# Allegro board SG2042_EVB_V2_0.brd (continued)
## Nets (continued)
GND_EARTH: C567.1 C568.1 C569.2 C570.1 C571.1 C572.1 J9.13 J9.14
P5V_USB_REAR1: C5927.1 C5928.1 C5930.1 CON1100.10(VBUS2) R12612.2
P5V_USB_REAR2: C5929.1 C5932.1 C5933.1 CON1100.1 R12613.2
P5V_USB_REAR3: C6042.1 C6043.1 C6044.1 CON1101.10(VBUS2) R12796.2
P5V_USB_REAR4: C6046.1 C6047.1 C6048.1 CON1101.1 R12797.2
VBAT: BT2000.1 U2001.3
VBUS2: C1670.1 C1671.1 FB1106.1 U805.7 U805.8
VCC33IN4: C5838.1 R12553.2 U3237.3
VCC_SD: C531.2 C532.2 C533.2 C534.2 C535.2 FB2.1 J8.4 R45.1 R48.1 R2127.1
VCCS: C3372.2 R2536.1 U202.43
VDD_1V05: C5668.1 C5669.2 C5670.2 FB2045.2 FB2049.2 L1011.2 R12486.1 R12488.2 T78.1(TP)
VDD_1V05_ASM: C5986.2 C5987.1 C5988.1 C5989.1 C5990.1 C5991.1 FB2026.1 L1027.2 R12666.2 T94.1(TP)
VDD_1V25: C5999.1 C6000.2 C6001.2 FB2040.2 L1028.2 R12672.1 R12674.2 T92.1(TP)
VDD_2V5_ASM: C3510.1 C3511.2 C3512.2 FB2027.2 L38.2 R2582.1 R2584.2 T77.1(TP)
VDD_3V3: C3149.1 C3151.1 C3152.1 C3153.1 C3283.2 C3284.2 C3285.2 C3286.2 C3287.2 C3289.1 C3376.1 C6160.2 C6161.1 C6162.1 C6163.1 C6164.1 C6165.1 C6190.1 C6210.1 C6213.1 C6233.2 C6234.2 FB3.2 FB12.1 FB2029.1 FB2041.1 FB2042.2 FB2044.2 FB2048.2 FB2050.2 J14.2 J17.2 L1035.2 R443.1 R655.1 R1305.2 R1306.2 R2190.2 R2191.2 R2192.2 R2193.2 R2194.2 R2195.2 R2196.2 R2197.2 R2545.1 R12560.1 R12571.1 R12679.2 R12680.2 R12681.2 R12682.2 R12683.2 R12684.2 R12685.2 R12686.2 R12687.2 R12688.2 R12689.2 R12690.2 R12691.2 R12692.2 R12693.2 R12694.2 R12697.2 R12698.2 R12699.2 R12724.1 R12738.2 R12741.2 R12744.2 R12916.2 R12929.2 R12954.2 R12962.1 R12963.1 R12967.2 R12971.2 R12972.2 R12974.2 R12975.2 R12998.2 T98.1(TP) U12.19(VCCB) U14.19(VCCB) U47.10 U56.10 U202.42 U806.19(VCCB) U807.19(VCCB) U814.19(VCCB) U2003.19(VCCB) U2006.19(VCCB) U2018.19(VCCB) U3253.21 U3253.22 U3274.3 U3274.6 U3275.7 U3275.8 X9.4(VDD)
VDD_5V: C1167.1 C1168.1 C1187.1 C1188.1 C1189.1 C1190.1 C1191.1 C1217.1 C1218.1 C1231.1 C1232.1 C1558.1 C1559.1 C1560.1 C1561.1 C2010.1 C3161.1 C3162.1 C3230.1 C3370.2 C3411.2 C3420.2 C3433.2 C3446.2 C3462.2 C3463.2 C3508.1 C3509.1 C5666.1 C5667.1 C5924.1 C5925.1 C5982.1 C5983.1 C5984.1 C5985.1 C5997.1 C5998.1 C6014.1 C6039.1 C6040.1 C6100.1 C6110.1 C6111.1 C6112.1 C6125.2 C6126.2 C6127.2 C6128.2 C6133.2 C6134.2 C6136.2 C6137.2 C6143.1 C6144.1 C6150.1 C6156.1 C6157.1 C6158.1 C6159.1 C6191.1 C6216.1 C6217.1 C6222.1 C6223.1 C6228.1 C6229.1 C6236.1 C6240.1 C6244.1 R307.2 R341.2 R354.2 R674.2 R1349.2 R2198.1 R2580.2 R12485.2 R12614.1 R12615.1 R12662.2 R12671.2 R12727.2 R12731.2 R12734.2 R12798.1 R12799.1 R12834.1 R12839.1 R12846.1 R12859.1 R12865.1 R12912.2 R12925.2 R12964.1 R12965.1 R12978.2 R12984.2 R12990.2 R13017.1 R13020.1 R13023.1 U19.1 U28.1 U29.10 U29.21(VIN2) U31.1 U60.9 U60.18(VIN1) U816.1 U2001.8 U2004.5 U2027.1 U3234.1 U3243.5 U3244.5 U3251.9 U3251.18(VIN1) U3252.1 U3254.3 U3254.4 U3254.5 U3256.5 U3257.5 U3261.5 U3262.1 U3262.2 U3262.3 U3263.1 U3263.2 U3263.3 U3264.1 U3264.2 U3264.3 U3265.1 U3265.2 U3265.3 U3266.1 U3266.2 U3266.3 U3267.1 U3267.2 U3267.3 U3268.1 U3268.2 U3268.3 U3269.1 U3269.16 U3270.1 U3270.16 U3271.10 U3271.21(VIN2) U3272.9 U3272.18(VIN1) U3274.7(VCCB) U3276.1 U3277.1 U3278.1 U3279.5 U3280.5 U3281.5
VDD_12V: C19.1 C20.1 C39.1 C40.1 C59.1 C60.1 C79.1 C80.1 C1182.1 C1183.1 C1184.1 C1186.1 C3366.2 C3367.2 C3368.2 C3408.2 C3409.2 C3410.2 C3417.2 C3418.2 C3419.2 C3430.2 C3431.2 C3432.2 C3443.2 C3444.2 C3445.2 C3456.2 C3457.2 C3458.2 C3459.2 C3460.2 C3461.2 J1.1 J1.145 J2.1 J2.145 J3.1 J3.145 J4.1 J4.145 R2393.1 R2538.2 U2005.5 U3262.21 U3262.22 U3262.23 U3262.27 U3262.34(VIN#34) U3263.21 U3263.22 U3263.23 U3263.27 U3263.34(VIN#34) U3264.21 U3264.22 U3264.23 U3264.27 U3264.34(VIN#34) U3265.21 U3265.22 U3265.23 U3265.27 U3265.34(VIN#34) U3266.21 U3266.22 U3266.23 U3266.27 U3266.34(VIN#34) U3267.21 U3267.22 U3267.23 U3267.27 U3267.34(VIN#34) U3268.21 U3268.22 U3268.23 U3268.27 U3268.34(VIN#34)
VDD_HDMI_5V: C6237.1 C6238.1 C6239.1 J2047.H18 R13016.2
VDD_MCU: C584.2 C3252.2 C3253.2 C3254.2 C3255.2 C3256.2 C3257.2 C3258.2 C3259.2 C3260.2 C3261.2 FB2014.1 FB2015.1 R483.1 R484.1 R576.2 R2021.1 R2037.1 R2093.1 R2094.1 R2340.2 R2341.2 R2342.2 R2440.2 R2442.2 R2491.1 R2535.1 R2556.1 R12677.1 R12746.2 R12750.2 R12754.2 R12758.2 R12760.2 R12761.2 R12762.2 R12763.2 R12768.2 R12769.2 R12770.2 R12771.2 TP34.1(TP) U11.1(V+) U2009.6 U2009.11 U2009.28 U2009.50 U2009.75 U2009.100
VDD_PCIE0_12V: C3311.1 C3312.1 C3313.1 C3314.1 C3315.2 F409.2 J2046.A2 J2046.A3 J2046.B1 J2046.B2 J2046.B3
VDD_PCIE1_12V: C3304.1 C3305.1 C3306.1 C3307.1 C3308.2 F400.2 J1104.A2 J1104.A3 J1104.B1 J1104.B2 J1104.B3
VDD_PCIE_C_0V8: C445.2 C446.2 C447.2 C448.2 C449.2 C450.2 C451.2 C452.2 C453.2 C454.2 C455.2 C456.2 C457.2 C458.2 C459.2 C460.2 C461.2 C462.2 C463.2 C464.2 C465.2 C466.2 C467.2 C468.2 C469.2 C470.2 C471.2 R685.2 R2467.2 U1.BE17 U1.BE19 U1.BE21 U1.BE23 U1.BE25 U1.BE27 U1.BE29 U1.BE31 U1.BE33 U1.BE35 U1.BE37 U1.BE39 U1.BE41 U1.BF16 U1.BF18 U1.BF20 U1.BF22 U1.BF24 U1.BF26 U1.BF28 U1.BF30 U1.BF32 U1.BF34 U1.BF36 U1.BF38 U1.BF40 U1.BF42
VDD_PCIE_D_0V8: C475.2 C476.2 C477.2 C478.2 C479.2 C480.2 C481.2 C482.2 C483.2 C484.2 C485.2 C486.2 C487.2 C488.2 C489.2 C490.2 C491.2 C492.2 C493.2 C494.2 C495.2 C496.2 C497.2 C498.2 C499.2 R686.2 R2466.2 U1.BA21 U1.BA23 U1.BA33 U1.BA35 U1.BB22 U1.BB32 U1.BB34 U1.BB36 U1.BC21 U1.BC23 U1.BC25 U1.BC27 U1.BC29 U1.BC31 U1.BC33 U1.BC35 U1.BC37 U1.BD16 U1.BD18 U1.BD20 U1.BD22 U1.BD24 U1.BD26 U1.BD28 U1.BD30 U1.BD32 U1.BD34 U1.BD36 U1.BD38 U1.BD40 U1.BD42
VDD_PCIE_H_1V8: C505.2 C506.2 C507.2 C508.2 C509.2 C510.2 C511.2 C512.2 C513.2 C514.2 C515.2 C516.2 C517.2 C518.2 C519.2 C1220.1 C1221.2 C1222.2 L5.2 R344.2 T57.1(TP) U1.BG15 U1.BG17 U1.BG19 U1.BG21 U1.BG23 U1.BG25 U1.BG27 U1.BG29 U1.BG31 U1.BG33 U1.BG35 U1.BG37 U1.BG39 U1.BG41 U1.BG43
VDD_PLL_0V8: C1170.1 C1172.2 C1173.2 FB7.1 FB9.1 FB10.1 FB11.1 L1.2 R311.2 R2495.1 T53.1(TP)
VDD_SENSE_N: R2531.2 U1.AJ28
VDD_SENSE_P: R2533.2 U1.AH28
VDD_U1_5V: C6241.1 C6242.1 C6243.1 J2047.U1 R13019.2
VDD_U2_5V: C6245.1 C6246.1 C6247.1 J2047.U5 R13022.2
VDDA_MCU: C3262.2 FB2014.2 U2009.21 U2009.22
VDDC: C606.2 C607.2 C608.2 C609.2 C610.2 C611.2 C612.2 C613.2 C614.2 C615.2 C616.2 C617.2 C618.2 C619.2 C620.2 C621.2 C622.2 C623.2 C624.2 C625.2 C626.2 C627.2 C628.2 C629.2 C630.2 C631.2 C632.2 C633.2 C634.2 C635.2 C636.2 C637.2 C638.2 C639.2 C640.2 C641.2 C642.2 C643.2 C644.2 C645.2 C646.2 C647.2 C648.2 C649.2 C650.2 C651.2 C652.2 C653.2 C654.2 C655.2 C656.2 C657.2 C658.2 C659.2 C660.2 C661.2 C662.2 C663.2 C664.2 C665.2 C666.2 C667.2 C668.2 C669.2 C670.2 C671.2 C672.2 C673.2 C674.2 C675.2 C676.2 C677.2 C678.2 C679.2 C680.2 C681.2 C682.2 C683.2 C684.2 C685.2 C686.2 C687.2 C688.2 C689.2 C690.2 C691.2 C692.2 C693.2 C694.2 C695.2 C696.2 C697.2 C698.2 C699.2 C700.2 C701.2 C702.2 C703.2 C704.2 C705.2 C706.2 C707.2 C708.2 C709.2 C710.2 C711.2 C712.2 C713.2 C714.2 C715.2 C716.2 C717.2 C718.2 C719.2 C720.2 C721.2 C722.2 C723.2 C724.2 C725.2 C726.2 C727.2 C728.2 C729.2 C730.2 C731.2 C756.2 C757.2 C758.2 C759.2 C760.2 C761.2 C762.2 C763.2 C764.2 C765.2 C766.2 C767.2 C768.2 C769.2 C770.2 C771.2 C772.2 C773.2 C774.2 C775.2 C776.2 C777.2 C778.2 C779.2 C780.2 C781.2 C782.2 C783.2 C784.2 C785.2 C786.2 C787.2 C788.2 C789.2 C790.2 C791.2 C792.2 C793.2 C794.2 C795.2 C796.2 C797.2 C798.2 C799.2 C800.2 C801.2 C802.2 C803.2 C804.2 C805.2 C806.2 C807.2 C808.2 C809.2 C810.2 C811.2 C812.2 C813.2 C814.2 C815.2 C816.2 C817.2 C818.2 C819.2 C820.2 C821.2 C822.2 C823.2 C824.2 C825.2 C826.2 C827.2 C828.2 C829.2 C830.2 C831.2 C832.2 C833.2 C834.2 C835.2 C836.2 C837.2 C838.2 C839.2 C840.2 C841.2 C842.2 C843.2 C844.2 C845.2 C846.2 C847.2 C848.2 C849.2 C850.2 C851.2 C852.2 C853.2 C854.2 C855.2 C856.2 C857.2 C858.2 C859.2 C860.2 C861.2 C862.2 C863.2 C864.2 C865.2 C866.2 C867.2 C868.2 C869.2 C870.2 C871.2 C872.2 C873.2 C874.2 C875.2 C876.2 C877.2 C878.2 C879.2 C880.2 C881.2 C976.2 C977.2 C978.2 C979.2 C980.2 C981.2 C982.2 C983.2 C984.2 C985.2 C986.2 C987.2 C988.2 C989.2 C990.2 C991.2 C992.2 C993.2 C994.2 C995.2 C996.2 C997.2 C998.2 C999.2 C1000.2 C1001.2 C1002.2 C1003.2 C1004.2 C1005.2 C1006.2 C1007.2 C1008.2 C1009.2 C1010.2 C1011.2 C1580.2 C1581.2 C1582.2 C1583.2 C1584.2 C1585.2 C1586.2 C1587.2 C1588.2 C1589.2 C1590.2 C1591.2 C1592.2 C1593.2 C1597.2 C1598.2 C1599.2 C1600.2 C1601.2 C1602.2 C1603.2 C1604.2 C1605.2 C1606.2 C1610.2 C1611.2 C1612.2 C1613.2 C1614.2 C1615.2 C1616.2 C1617.2 C1618.2 C1619.2 C1620.2 C1621.2 C1622.2 C1623.2 C1624.2 C1625.2 C1626.2 C1630.2 C1631.2 C1632.2 C1633.2 C1634.2 C1638.2 C1639.2 C1640.2 C1641.2 C1642.2 C1699.2 C1700.2 C1701.2 C1702.2 C1703.2 C1704.2 C1705.2 C1706.2 C1707.2 C1708.2 C1709.2 C1710.2 C1711.2 C1712.2 C1713.2 C1714.2 C1715.2 C1716.2 C1717.2 C1718.2 C1719.2 C1720.2 C1721.2 C1722.2 C1723.2 C1724.2 C1725.2 C1726.2 C1727.2 C1728.2 C1729.2 C1730.2 C1731.2 C1732.2 C1733.2 C1734.2 C1735.2 C1736.2 C3378.1 C3379.1 C3381.2 C3382.2 C3383.2 C3384.2 C3416.1 C3423.1 C3424.1 C3425.1 C3426.2 C3427.2 C3428.2 C3429.2 C3436.1 C3437.1 C3438.1 C3439.2 C3440.2 C3441.2 C3442.2 C3449.1 C3450.1 C3451.1 C3452.2 C3453.2 C3454.2 C3455.2 C3468.1 C3469.1 C3470.1 C3471.2 C3472.2 C3473.2 C3474.2 C3475.1 C3476.1 C3477.1 C3478.2 C3479.2 C3480.2 C3481.2 L39.2 L40.2 L41.2 L42.2 L43.2 L44.2 P_VDDC.1(TP) R2534.2 U1.AA19 U1.AA21 U1.AA23 U1.AA25 U1.AA27 U1.AA29 U1.AA31 U1.AA33 U1.AA35 U1.AA37 U1.AA39 U1.AA41 U1.AB18 U1.AB20 U1.AB22 U1.AB24 U1.AB26 U1.AB28 U1.AB30 U1.AB32 U1.AB34 U1.AB36 U1.AB38 U1.AC19 U1.AC21 U1.AC23 U1.AC25 U1.AC27 U1.AC29 U1.AC31 U1.AC33 U1.AC35 U1.AC37 U1.AC39 U1.AD16 U1.AD18 U1.AD20 U1.AD22 U1.AD24 U1.AD26 U1.AD28 U1.AD30 U1.AD32 U1.AD34 U1.AD36 U1.AD38 U1.AE19 U1.AE21 U1.AE23 U1.AE25 U1.AE27 U1.AE29 U1.AE31 U1.AE33 U1.AE35 U1.AE37 U1.AE39 U1.AE41 U1.AF16 U1.AF18 U1.AF20 U1.AF22 U1.AF24 U1.AF26 U1.AF28 U1.AF30 U1.AF32 U1.AF34 U1.AF36 U1.AF38 U1.AG19 U1.AG21 U1.AG23 U1.AG25 U1.AG27 U1.AG29 U1.AG31 U1.AG33 U1.AG35 U1.AG37 U1.AG39 U1.AH18 U1.AH20 U1.AH22 U1.AH24 U1.AH26 U1.AH30 U1.AH32 U1.AH34 U1.AH36 U1.AH38 U1.AJ19 U1.AJ21 U1.AJ23 U1.AJ25 U1.AJ27 U1.AJ29 U1.AJ31 U1.AJ33 U1.AJ35 U1.AJ37 U1.AJ39 U1.AK18 U1.AK20 U1.AK22 U1.AK24 U1.AK26 U1.AK28 U1.AK30 U1.AK32 U1.AK34 U1.AK36 U1.AK38 U1.AL19 U1.AL21 U1.AL23 U1.AL25 U1.AL27 U1.AL29 U1.AL31 U1.AL33 U1.AL35 U1.AL37 U1.AL39 U1.AM16 U1.AM18 U1.AM20 U1.AM22 U1.AM24 U1.AM26 U1.AM28 U1.AM30 U1.AM32 U1.AM34 U1.AM36 U1.AM38 U1.AN19 U1.AN21 U1.AN23 U1.AN25 U1.AN27 U1.AN29 U1.AN31 U1.AN33 U1.AN35 U1.AN37 U1.AN39 U1.AN41 U1.AP16 U1.AP18 U1.AP20 U1.AP22 U1.AP24 U1.AP26 U1.AP28 U1.AP30 U1.AP32 U1.AP34 U1.AP36 U1.AP38 U1.AR19 U1.AR21 U1.AR23 U1.AR25 U1.AR27 U1.AR29 U1.AR31 U1.AR33 U1.AR35 U1.AR37 U1.AR39 U1.AR41 U1.AT16 U1.AT18 U1.AT20 U1.AT22 U1.AT24 U1.AT26 U1.AT28 U1.AT30 U1.AT32 U1.AT34 U1.AT36 U1.AT38 U1.AU19 U1.AU21 U1.AU23 U1.AU25 U1.AU27 U1.AU29 U1.AU31 U1.AU33 U1.AU35 U1.AU37 U1.AU39 U1.AU41 U1.AV16 U1.AV18 U1.AV20 U1.AV22 U1.AV24 U1.AV26 U1.AV28 U1.AV30 U1.AV32 U1.AV34 U1.AV36 U1.AV38 U1.AW19 U1.AW21 U1.AW23 U1.AW25 U1.AW27 U1.AW29 U1.AW31 U1.AW33 U1.AW35 U1.AW37 U1.AW39 U1.AW41 U1.AY16 U1.BA17 U1.BA19 U1.BA37 U1.BA39 U1.BA41 U1.BB16 U1.BB18 U1.BB20 U1.BB38 U1.BB40 U1.BC17 U1.BC19 U1.BC39 U1.BC41 U1.K16 U1.K18 U1.K20 U1.K22 U1.K24 U1.K26 U1.K28 U1.K30 U1.K32 U1.K34 U1.K36 U1.K38 U1.K40 U1.L17 U1.L19 U1.L21 U1.L23 U1.L25 U1.L27 U1.L29 U1.L31 U1.L33 U1.L35 U1.L37 U1.L39 U1.L41 U1.M16 U1.M18 U1.M20 U1.M22 U1.M24 U1.M26 U1.M28 U1.M30 U1.M32 U1.M34 U1.M36 U1.M38 U1.M40 U1.N17 U1.N19 U1.N21 U1.N23 U1.N25 U1.N27 U1.N29 U1.N31 U1.N33 U1.N35 U1.N37 U1.N39 U1.N41 U1.P16 U1.P18 U1.P20 U1.P22 U1.P24 U1.P26 U1.P28 U1.P30 U1.P32 U1.P34 U1.P36 U1.P38 U1.P40 U1.R17 U1.R19 U1.R21 U1.R23 U1.R25 U1.R27 U1.R29 U1.R31 U1.R33 U1.R35 U1.R37 U1.R39 U1.R41 U1.T16 U1.T18 U1.T20 U1.T22 U1.T24 U1.T26 U1.T28 U1.T30 U1.T32 U1.T34 U1.T36 U1.T38 U1.T40 U1.U41 U1.V16 U1.V18 U1.V20 U1.V22 U1.V24 U1.V26 U1.V28 U1.V30 U1.V32 U1.V34 U1.V36 U1.V38 U1.W19 U1.W21 U1.W23 U1.W25 U1.W27 U1.W29 U1.W31 U1.W33 U1.W35 U1.W37 U1.W39 U1.W41 U1.Y16 U1.Y18 U1.Y20 U1.Y22 U1.Y24 U1.Y26 U1.Y28 U1.Y30 U1.Y32 U1.Y34 U1.Y36 U1.Y38
VDDIO18: C537.2 C538.2 C539.2 C540.2 C575.2 C576.2 C579.2 C580.2 C582.2 C583.2 C587.2 C1234.1 C1235.2 C1236.2 C1465.2 C1466.2 C1471.2 C1472.2 C1473.2 C1474.2 C1475.2 C1476.2 C1477.2 C1478.2 C1479.2 C1480.2 C1481.2 C1482.2 C1483.2 C1484.2 C1485.2 C1486.2 C1487.2 C1488.2 C3146.2 C3277.2 C3278.2 C3279.2 C3280.2 C3281.2 C3282.2 C3290.1 FB5.1 FB6.1 L7.2 R19.2 R20.2 R21.2 R22.2 R23.2 R24.2 R31.1 R32.1 R33.1 R34.1 R38.2 R40.1 R98.2 R99.2 R100.2 R101.2 R104.2 R105.1 R106.2 R107.2 R108.2 R109.2 R110.2 R111.2 R112.2 R113.2 R114.2 R115.2 R116.2 R117.2 R139.2 R143.2 R147.2 R150.2 R153.2 R156.2 R161.2 R196.2 R197.2 R198.2 R199.2 R200.2 R201.2 R202.2 R208.2 R357.2 R470.2 R1263.2 R1264.2 R1266.2 R2066.2 R2067.2 R2301.2 R2302.2 R2544.2 R2547.2 R2548.2 R12728.2 R12732.2 R12735.2 R12737.2 R12740.2 R12743.2 R12926.2 R12928.2 R12947.1 R12948.1 R12949.1 R12950.1 T58.1(TP) U1.AP15 U1.AP42 U1.AT15 U1.AT42 U1.AV15 U1.AV42 U1.AY15 U1.AY42 U1.BA25 U1.BB15 U1.BB24 U1.BB25 U1.BB28 U1.BB42 U1.BD15 U1.BF11 U1.BF13 U1.BG11 U1.BG13 U2.C6 U2.M4 U2.N4 U2.P3 U2.P5 U12.2 U12.10 U13.A2 U14.2 U14.10 U806.2 U806.10 U807.2 U807.10 U813.8 U814.2 U814.10 U2003.2 U2003.10 U2006.2 U2006.10 U2010.2 U2010.10 U2018.2 U2018.10 X1.4(VDD) X2.4(VDD) X3.4(VDD) X4.4(VDD)
VDDIO33: C536.2 C1468.2 C1469.2 C3163.1 C3164.2 C3165.2 FB1.1 L26.2 R45.2 R588.2 R1351.2 T59.1(TP) U1.BA27 U1.BB26 U1.BB27 U5.A2
VDDIO_CLK_DDR0: C594.2 FB5.2 U1.AG41
VDDIO_CLK_DDR1: C590.2 FB6.2 U1.AG16
VDDIO_DPLL0: C592.2 FB7.2 U1.AJ41
VDDIO_DPLL1: C600.2 FB9.2 U1.AJ16
VDDIO_FPLL: C604.2 FB11.2 U1.BA31
VDDIO_MPLL: C602.2 FB10.2 U1.BA30
768_HDMI_HPG: R12956.1 R12957.2 U3273.U6
768_HDMI_SCL: D610.2 J2047.H15 R12964.2 U3274.1
768_HDMI_SCL_GPIO8: R12963.2 U3273.K6 U3274.4
768_HDMI_SDA: D611.2 J2047.H16 R12965.2 U3274.8
768_HDMI_SDA_GPIO9: R12962.2 U3273.J6 U3274.5
2812_SCL: R12504.2 R12507.2
2812_SDA: R12503.2 R12508.2
68127_SCL: J201.2 R2548.1 R12920.1 U202.18 UNK68127_SCL.1
68127_SDA: J201.3 R2547.1 R12921.1 U202.19 UNK68127_SDA.1
A_USBC1_3V3: C5895.1 FB2043.1 U3241.6 U3241.32
A_USBC2_3V3: C6063.1 FB2047.1 U3259.6 U3259.32
AMON: C6192.1 U3273.Y23
ASM281_3.3V_SUS: C5738.1 C5739.1 C5740.1 C5741.1 FB2028.1 R12507.1 R12508.1 U3235.D5 U3235.E5 U3235.F5 U3235.G5
ASM1061_1V25: C5836.1 C5837.1 C5842.1 C5843.1 C5844.1 C5845.1 C5850.1 C5851.1 C5853.1 FB2040.1 L1012.1 U3237.7 U3237.11 U3237.12 U3237.25 U3237.30 U3237.43 U3237.48
ASM1061_3V3: C5846.1 C5847.1 C5848.1 C5854.1 C5860.1 FB2041.2 LED501.A R12553.1 R12555.1 R12557.1 U3237.9 U3237.19 U3237.36 U3237.44 U3238.3(WP#) U3238.7 U3238.8
ASM2812_1P05V: C5691.1 C5692.1 C5693.1 C5694.1 C5695.1 C5696.1 C5701.1 C5702.1 C5703.1 C5704.1 C5705.1 C5706.1 C5707.1 C5708.1 C5709.1 C5710.1 C5711.1 C5712.1 C5713.1 C5714.1 C5715.1 C5716.1 C5717.1 C5718.1 C5719.1 C5720.1 FB2026.2 U3235.A6 U3235.A7 U3235.A8 U3235.B6 U3235.B7 U3235.B8 U3235.C6 U3235.C7 U3235.C8 U3235.D6 U3235.D7 U3235.D8 U3235.E6 U3235.E7 U3235.E8 U3235.F6 U3235.F7 U3235.F8 U3235.J8 U3235.J9 U3235.J10 U3235.J11 U3235.J14 U3235.J15 U3235.L18 U3235.M18 U3235.N8 U3235.P8 U3235.P18 U3235.R18 U3235.U8 U3235.U9 U3235.U13 U3235.U14 U3235.U15 U3235.U16 U3235.U17
ASM2812_2P5V: C5697.1 C5698.1 C5699.1 C5700.1 C5721.1 C5722.1 C5723.1 C5724.1 C5725.1 C5726.1 C5727.1 C5728.1 C5729.1 C5730.1 C5731.1 FB2027.1 U3235.AA12 U3235.AA13 U3235.AA14 U3235.AA15 U3235.AA16 U3235.AB12 U3235.AB13 U3235.AB14 U3235.AC12 U3235.AC13 U3235.AC14 U3235.AD12 U3235.AD13 U3235.AD14 U3235.AE12 U3235.AE13 U3235.AE14 U3235.AF12 U3235.AF13 U3235.AF14 U3235.E11 U3235.E12 U3235.J16 U3235.J17 U3235.J18 U3235.K8 U3235.K18 U3235.L8 U3235.M8 U3235.N18 U3235.R8 U3235.T8 U3235.T18 U3235.U10 U3235.U18
ASM2812_PCIE_RX0_N: C443.2 U3235.G4
ASM2812_PCIE_RX0_P: C441.2 U3235.F4
ASM2812_PCIE_RX1_N: C439.2 U3235.J3
ASM2812_PCIE_RX1_P: C437.2 U3235.H3
ASM2812_PCIE_RX2_N: C435.2 U3235.L4
ASM2812_PCIE_RX2_P: C433.2 U3235.K4
ASM2812_PCIE_RX3_N: C431.2 U3235.N3
ASM2812_PCIE_RX3_P: C429.2 U3235.M3
ASM2812_PCIE_RX4_N: C427.2 U3235.R4
ASM2812_PCIE_RX4_P: C425.2 U3235.P4
ASM2812_PCIE_RX5_N: C423.2 U3235.U3
ASM2812_PCIE_RX5_P: C421.2 U3235.T3
ASM2812_PCIE_RX6_N: C419.2 U3235.W4
ASM2812_PCIE_RX6_P: C417.2 U3235.V4
ASM2812_PCIE_RX7_N: C415.2 U3235.AA3
ASM2812_PCIE_RX7_P: C413.2 U3235.Y3
